# Altium PCB MiniSystem-Pcb-All.PcbDoc (part 2 of 8)
Units mil, origin at the board's own origin, x right, y up, seen from the top; angles counter-clockwise.
Board outline 1732.28 x 669.29 mil, 2 copper layers (Top Layer, Bottom Layer); 690 components, 49 nets, 1630 pads, 330 vias.
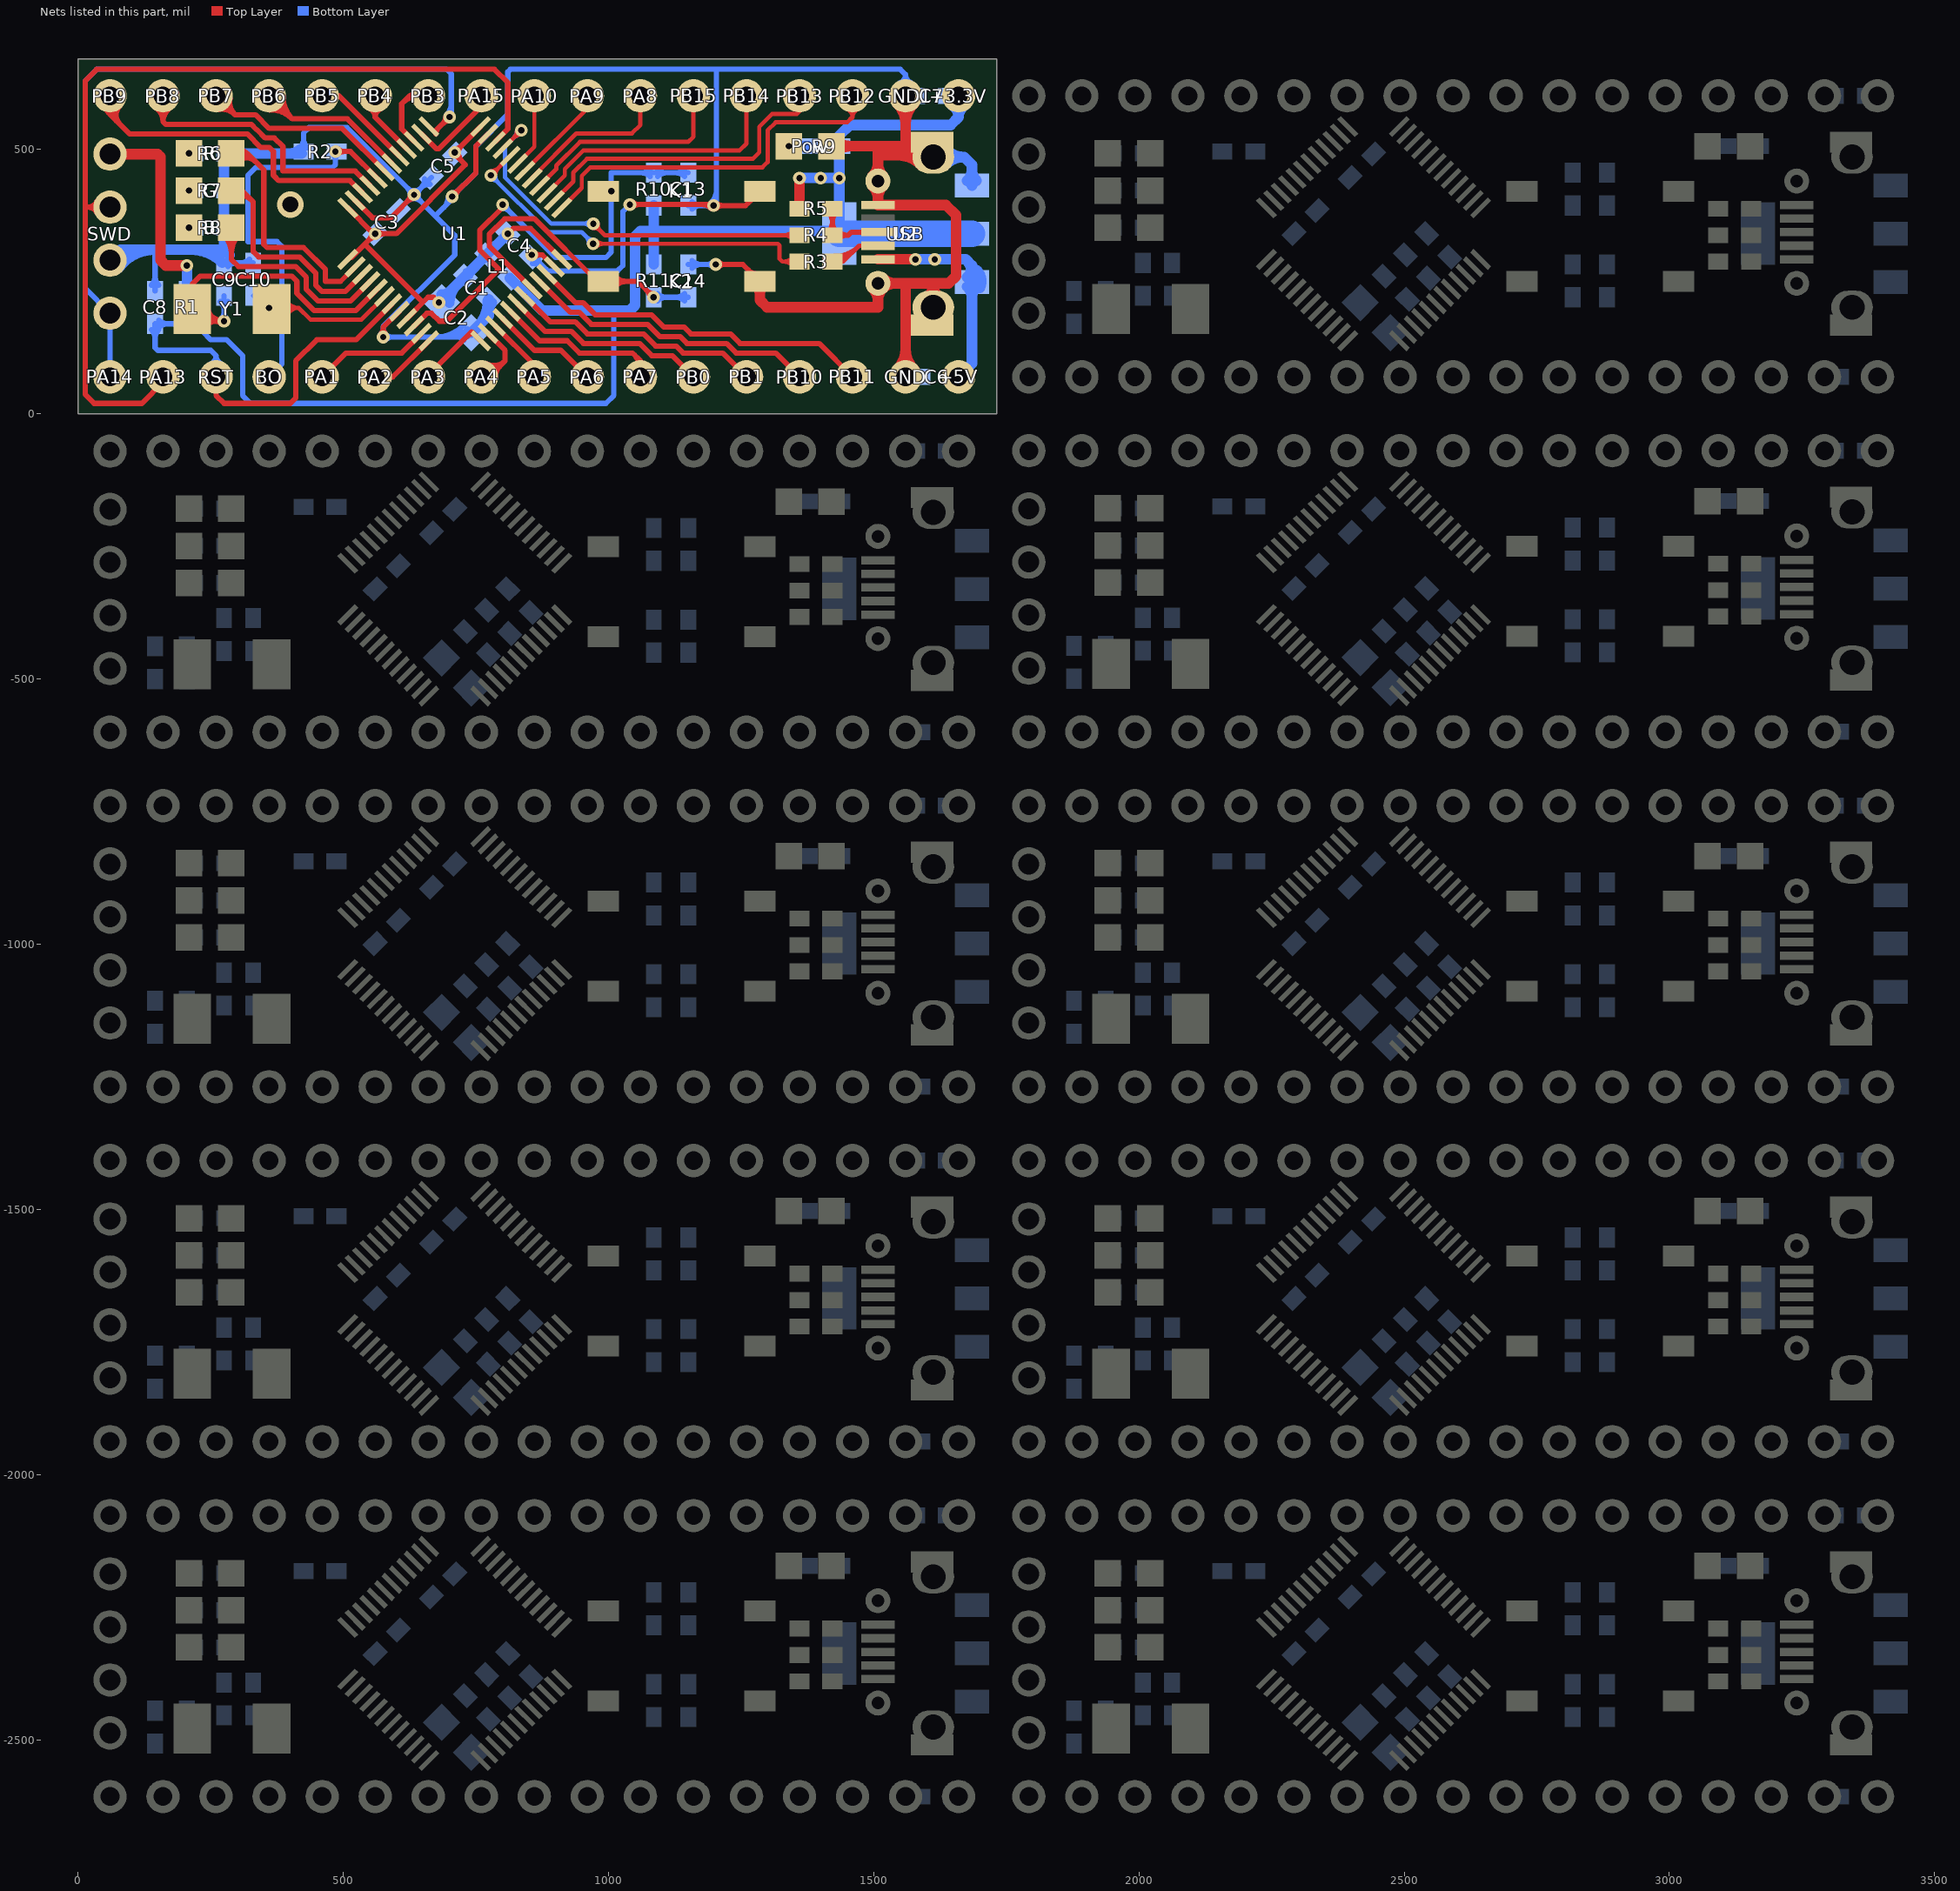
[diagram p2: the nets of this part, all layers, seen from the top]

## Part data
+3.3V +3.3V_1 +3.3V_2 +3.3V_3 +3.3V_4 +3.3V_5 +3.3V_6 +3.3V_7 +3.3V_8 +3.3V_9 +5V +5V_1 +5V_2 +5V_3 +5V_4 +5V_5 +5V_6 +5V_7 +5V_8 +5V_9 BO BO_1 BO_2 BO_3 BO_4 BO_5 BO_6 BO_7 BO_8 BO_9 GND GND1 GND1_1 GND1_2 GND1_3 GND1_4 GND1_5 GND1_6 GND1_7 GND1_8 GND1_9 GND_1 GND_2 GND_3 GND_4 GND_5 GND_6 GND_7 GND_8 GND_9 PA1 PA1_1 PA1_2 PA1_3 PA1_4 PA1_5 PA1_6 PA1_7 PA1_8 PA1_9 PA2 PA2_1 PA2_2 PA2_3 PA2_4 PA2_5 PA2_6 PA2_7 PA2_8 PA2_9 PA3 PA3_1 PA3_2 PA3_3 PA3_4 PA3_5 PA3_6 PA3_7 PA3_8 PA3_9 PA4 PA4_1 PA4_2 PA4_3 PA4_4 PA4_5 PA4_6 PA4_7 PA4_8 PA4_9 PA5 PA5_1 PA5_2 PA5_3 PA5_4 PA5_5 PA5_6 PA5_7 PA5_8 PA5_9 PA6 PA6_1 PA6_2 PA6_3 PA6_4 PA6_5 PA6_6 PA6_7 PA6_8 PA6_9 PA7 PA7_1 PA7_2 PA7_3 PA7_4 PA7_5 PA7_6 PA7_7 PA7_8 PA7_9 PA8 PA8_1 PA8_2 PA8_3 PA8_4 PA8_5 PA8_6 PA8_7 PA8_8 PA8_9 PA9 PA9_1 PA9_2 PA9_3 PA9_4 PA9_5 PA9_6 PA9_7 PA9_8 PA9_9 PA10 PA10_1 PA10_2 PA10_3 PA10_4 PA10_5 PA10_6 PA10_7 PA10_8 PA10_9 PA13 PA13_1 PA13_2 PA13_3 PA13_4 PA13_5 PA13_6 PA13_7 PA13_8 PA13_9 PA14 PA14_1 PA14_2 PA14_3 PA14_4 PA14_5 PA14_6 PA14_7 PA14_8 PA14_9 PA15 PA15_1 PA15_2 PA15_3 PA15_4 PA15_5 PA15_6 PA15_7 PA15_8 PA15_9 PB0 PB0_1 PB0_2 PB0_3 PB0_4 PB0_5 PB0_6 PB0_7 PB0_8 PB0_9 PB1 PB1_1 PB1_2 PB1_3 PB1_4 PB1_5 PB1_6 PB1_7 PB1_8 PB1_9 PB3 PB3_1 PB3_2 PB3_3 PB3_4 PB3_5 PB3_6 PB3_7 PB3_8 PB3_9 PB4 PB4_1 PB4_2 PB4_3 PB4_4 PB4_5 PB4_6 PB4_7 PB4_8 PB4_9 PB5 PB5_1 PB5_2 PB5_3 PB5_4 PB5_5 PB5_6 PB5_7 PB5_8 PB5_9 PB6 PB6_1 PB6_2 PB6_3 PB6_4 PB6_5 PB6_6 PB6_7 PB6_8 PB6_9 PB7 PB7_1 PB7_2 PB7_3 PB7_4 PB7_5 PB7_6 PB7_7 PB7_8 PB7_9 PB8 PB8_1 PB8_2 PB8_3 PB8_4 PB8_5 PB8_6 PB8_7 PB8_8 PB8_9 PB9 PB9_1 PB9_2 PB9_3 PB9_4 PB9_5 PB9_6 PB9_7 PB9_8 PB9_9 PB10 PB10_1 PB10_2 PB10_3 PB10_4 PB10_5 PB10_6 PB10_7 PB10_8 PB10_9 PB11 PB11_1 PB11_2 PB11_3 PB11_4 PB11_5 PB11_6 PB11_7 PB11_8 PB11_9 PB12 PB12_1 PB12_2 PB12_3 PB12_4 PB12_5 PB12_6 PB12_7 PB12_8 PB12_9 PB13 PB13_1 PB13_2 PB13_3 PB13_4 PB13_5 PB13_6 PB13_7 PB13_8 PB13_9 PB14 PB14_1 PB14_2 PB14_3 PB14_4 PB14_5 PB14_6 PB14_7 PB14_8 PB14_9 PB15 PB15_1 PB15_2 PB15_3 PB15_4 PB15_5 PB15_6 PB15_7 PB15_8 PB15_9 RST RST_1 RST_2 RST_3 RST_4 RST_5 RST_6 RST_7 RST_8 RST_9: library part TP, "测试点/触摸点"
B B_1 B_2 B_3 B_4 B_5 B_6 B_7 B_8 B_9 G G_1 G_2 G_3 G_4 G_5 G_6 G_7 G_8 G_9 Pow Pow_1 Pow_2 Pow_3 Pow_4 Pow_5 Pow_6 Pow_7 Pow_8 Pow_9 R R_1 R_2 R_3 R_4 R_5 R_6 R_7 R_8 R_9: "LED灯"
C1 C1_1 C1_2 C1_3 C1_4 C1_5 C1_6 C1_7 C1_8 C1_9 C2 C2_1 C2_2 C2_3 C2_4 C2_5 C2_6 C2_7 C2_8 C2_9 C3 C3_1 C3_2 C3_3 C3_4 C3_5 C3_6 C3_7 C3_8 C3_9 C4 C4_1 C4_2 C4_3 C4_4 C4_5 C4_6 C4_7 C4_8 C4_9 C5 C5_1 C5_2 C5_3 C5_4 C5_5 C5_6 C5_7 C5_8 C5_9 C6 C6_1 C6_2 C6_3 C6_4 C6_5 C6_6 C6_7 C6_8 C6_9 C7 C7_1 C7_2 C7_3 C7_4 C7_5 C7_6 C7_7 C7_8 C7_9 C8 C8_1 C8_2 C8_3 C8_4 C8_5 C8_6 C8_7 C8_8 C8_9 C9 C9_1 C9_2 C9_3 C9_4 C9_5 C9_6 C9_7 C9_8 C9_9 C10 C10_1 C10_2 C10_3 C10_4 C10_5 C10_6 C10_7 C10_8 C10_9 C13 C13_1 C13_2 C13_3 C13_4 C13_5 C13_6 C13_7 C13_8 C13_9 C14 C14_1 C14_2 C14_3 C14_4 C14_5 C14_6 C14_7 C14_8 C14_9: library part CAP, "无极性电容"
K1 K1_1 K1_2 K1_3 K1_4 K1_5 K1_6 K1_7 K1_8 K1_9 K2 K2_1 K2_2 K2_3 K2_4 K2_5 K2_6 K2_7 K2_8 K2_9: "按键"
L1 L1_1 L1_2 L1_3 L1_4 L1_5 L1_6 L1_7 L1_8 L1_9: library part INDUCTOR, "磁珠"
R1 R1_1 R1_2 R1_3 R1_4 R1_5 R1_6 R1_7 R1_8 R1_9 R2 R2_1 R2_2 R2_3 R2_4 R2_5 R2_6 R2_7 R2_8 R2_9 R3 R3_1 R3_2 R3_3 R3_4 R3_5 R3_6 R3_7 R3_8 R3_9 R4 R4_1 R4_2 R4_3 R4_4 R4_5 R4_6 R4_7 R4_8 R4_9 R5 R5_1 R5_2 R5_3 R5_4 R5_5 R5_6 R5_7 R5_8 R5_9 R6 R6_1 R6_2 R6_3 R6_4 R6_5 R6_6 R6_7 R6_8 R6_9 R7 R7_1 R7_2 R7_3 R7_4 R7_5 R7_6 R7_7 R7_8 R7_9 R8 R8_1 R8_2 R8_3 R8_4 R8_5 R8_6 R8_7 R8_8 R8_9 R9 R9_1 R9_2 R9_3 R9_4 R9_5 R9_6 R9_7 R9_8 R9_9 R10 R10_1 R10_2 R10_3 R10_4 R10_5 R10_6 R10_7 R10_8 R10_9 R11 R11_1 R11_2 R11_3 R11_4 R11_5 R11_6 R11_7 R11_8 R11_9: library part RES2, "贴片电阻"
SWD SWD_1 SWD_2 SWD_3 SWD_4 SWD_5 SWD_6 SWD_7 SWD_8 SWD_9: "SWD下载口(STM32)"
U1 U1_1 U1_2 U1_3 U1_4 U1_5 U1_6 U1_7 U1_8 U1_9: "STM32F1单片机48引脚"
U2 U2_1 U2_2 U2_3 U2_4 U2_5 U2_6 U2_7 U2_8 U2_9: "稳压芯片(LDO)"
USB USB_1 USB_2 USB_3 USB_4 USB_5 USB_6 USB_7 USB_8 USB_9: "通用串行总线(USB)"
Y1 Y1_1 Y1_2 Y1_3 Y1_4 Y1_5 Y1_6 Y1_7 Y1_8 Y1_9: library part XTAL, "晶振"

## Via types
v1: diameter 24, hole 12, Top Layer to Bottom Layer, 320 vias
v2: diameter 50, hole 30, Top Layer to Bottom Layer, 10 vias

## Nets (pads, with @x,y where several pads share a name; then routed paths per layer and width w, separated by ;. In a path a pad name is that pad's centre, name@x,y a point inside that pad or via, vN(x,y) a via of type N, cw(c..) or ccw(c..) an arc to the next point about the centre after c; other vN are vias at no path point)
+3.3V: +3.3V.1 C7.1 L1.2 R1.2 R5.1 R9.2 R10.2 R11.2 SWD.1 U2.2 U2.4 | length 3491.4
  Top Layer w20: SWD.1@60,490 150,490 155,485 155,290 165,280 v1(205,280) ; R5.1@1360,387 v1(1360,445)
  Bottom Layer w10: R1.2@205,232 233,232 235,230 235,155 250,140 280,140 310,110 310,35 325,20 995,20 1010,35 1010,195 ; R1.2@212.07,224.93 cw(c229.14,207.86) 229.14,232 cw(c229.14,256.14) R1.2@212.07,239.07
  Bottom Layer w20: R1.2@205,232 v1(205,280) ; L1.2@813.84,256.16 875,195 1010,195 1040,195 1050,205 1050,334.72 1060.28,345 1085.28,345 ; 1075,345 1085.28,345 ; R11.2@1085.28,282 1085.28,345 ; R10.2@1085.28,393 1085.28,345 ; 1435,488.1 cw(c1453.9,488.1) R9.2@1440.54,501.46 ; 1435,521.9 ccw(c1453.9,521.9) R9.2@1440.54,508.54 ; +3.3V.1@1648.14,582.07 cw(c1633.53,560) 1660,560 ; +3.3V.1@1660,600 1660,560 ; +3.3V.1@1671.86,582.07 ccw(c1686.47,560) 1660,560 ; 1085.28,345 1430,345 U2.4@1435,340 v1(1435,445) ; v1(1435,445) v1(1360,445) 1390,445 v1(1435,445) ; v1(1435,445) 1435,525 1455,545 1555,545 1645,545 1660,560
  Bottom Layer w50: U2.4@1435,340 U2.2@1685,340
  other v1: 1400,445
+5V: +5V.1 C6.1 U2.3 USB.1 | length 640
  Top Layer w20: USB.1@1507.84,291.68 v1(1578.32,291.68)
  Bottom Layer w20: v1(1615,291.68) v1(1578.32,291.68) 1673.32,291.68 1685,280 U2.3@1685,249 1685,95 +5V.1@1660,70 ; +5V.1@1654,75 ccw(c1654,101.56) +5V.1@1672.78,82.78 ; 1673.39,291.61 cw(c1644.41,262.63) U2.3@1681.85,245.95 ; U2.3@1676.16,240.16 cw(c1654.82,218.82) 1685,218.82 cw(c1715.18,218.82) U2.3@1693.84,240.16 ; U2.3@1676.16,257.84 ccw(c1654.82,279.18) 1685,279.18 ccw(c1715.18,279.18) U2.3@1693.84,257.84 ; U2.3@1693.97,271.03 cw(c1672.88,249.95) U2.3@1700.12,237.81
BOOT0: BO.1 R2.2 U1.44 | length 799.9
  Top Layer w10: v1(485,495) 513.24,495 U1.44@563.85,444.4 ; v1@489.95,490.05 cw(c501.9,478.1) 501.9,495 cw(c501.9,511.9) v1@489.95,499.95
  Bottom Layer w10: BO.1@360,70 384,94 384,316 375,325 320,325 320,450 335,465 480,465 485,470 v1(485,495) ; R2.2@480.05,490.05 cw(c468.1,478.1) 485,478.1 cw(c501.9,478.1) R2.2@489.95,490.05
CLK: PA14.1 SWD.4 U1.37 | length 1466.6
  Top Layer w10: U1.37@674.37,528.47 cw(c688.61,528.47) 678.54,538.54 ; U1.37@674.42,528.31 cw(c678.69,531.31) 675,535 v1(700,560) ; v1@693,560 cw(c676.1,560) 688.05,548.05 cw(c700,536.1) v1@700,553
  Bottom Layer w10: PA14.1@60,70 SWD.4@60,190 13,237 13,628 35,650 695,650 703.5,641.5 703.5,563.5 v1(700,560) ; v1@695.05,564.95 ccw(c674.66,585.34) 703.5,585.34
DIO: PA13.1 SWD.2 U1.34 | length 1795.9
  Top Layer w10: SWD.2@36.09,378.59 ccw(c18,369.96) 18,390 ; SWD.2@36.09,401.41 cw(c18,410.04) 18,390 ; SWD.2@60,390 18,390 ; PA13.1@160,70 160,60 120,20 30,20 13,37 13,355 13,628 35,650 785,650 810,625 810,537.44 U1.34@786.56,513.99
GND: C1.2 C2.2 C3.2 C4.2 C5.2 C6.2 C7.2 C8.2 C9.1 C10.1 C13.1 C14.1 GND1.1 GND.1 K1.1 K2.1 Pow.2 R2.1 R6.1 R7.1 R8.1 SWD.3 U1.8 U1.23 U1.35 U1.47 U2.1 USB.5 USB.6 USB.7 USB.8 USB.9 | length 8028.8
  Top Layer w10: U1.47@522.09,402.64 554.73,370 590,370 v1(633.35,413.36) ; v1@570.05,149.95 ccw(c558.1,161.9) 575,161.9 ccw(c591.9,161.9) v1@579.95,149.95 ; v1(575,145) 575,163.24 U1.8@605.6,193.85 ; v1@626.35,413.36 cw(c609.46,413.36) 621.41,401.41 cw(c633.35,389.46) v1@633.35,406.36 ; v1(705,410) 750,455 750,505.27 U1.35@772.64,527.91 ; v1@705,417 ccw(c705,433.9) 716.95,421.95 ccw(c728.9,410) v1@712,410 ; v1(855,300) 875.27,300 U1.23@897.91,277.36 ; v1@859.95,295.05 cw(c871.9,283.1) 871.9,300 cw(c871.9,316.9) v1@859.95,304.95 ; v1(1040,395) v1@1196,395 ; v1@1044.95,390.05 cw(c1056.9,378.1) 1056.9,395 cw(c1056.9,411.9) v1@1044.95,399.95 ; 1176.27,395 cw(c1176.27,371.27) v1@1193.05,388.05 ; 1185.93,395 ccw(c1185.93,405.07) v1@1193.05,397.95 ; v1(1198,393) 1258.28,393 K1.1@1285.28,420 ; v1(1202,282) 1253.28,282 K2.1@1285.28,250 ; v1@1202.95,388.05 cw(c1214.9,376.1) 1214.9,393 cw(c1214.9,409.9) v1@1202.95,397.95 ; v1@1206.95,277.05 cw(c1218.9,265.1) 1218.9,282 cw(c1218.9,298.9) v1@1206.95,286.95 ; 1263.14,272.14 cw(c1244.34,253.34) K2.1@1270.78,250.5 ; 1263.2,397.92 ccw(c1256.31,404.81) K1.1@1263.94,410.86 ; K2.1@1267.17,268.11 ccw(c1275.43,276.38) K2.1@1275.43,264.68 ; K1.1@1267.17,401.89 cw(c1275.43,393.62) K1.1@1275.43,405.32
  Top Layer w20: K2.1@1278.43,243.15 cw(c1261.89,226.62) 1285.28,226.62 cw(c1308.66,226.62) K2.1@1292.12,243.15 ; K2.1@1285.28,250 1285.28,214.72 1298.87,201.13 1507.84,201.13 ; Pow.2@1420,505 1515,505 ; Pow.2@1430.61,494.39 cw(c1456.21,468.79) 1456.21,505 cw(c1456.21,541.21) Pow.2@1430.61,515.61 ; USB.8@1498.2,236.77 cw(c1474.95,213.52) 1507.84,213.52 cw(c1540.72,213.52) 1517.47,236.77 cw(c1540.72,213.52) 1540.72,246.4 cw(c1540.72,279.29) USB.8@1517.47,256.04 ; USB.9@1498.2,429.69 cw(c1474.95,406.43) 1507.84,406.43 cw(c1540.72,406.43) USB.9@1517.47,429.69 ; USB.9@1498.2,448.95 ccw(c1474.95,472.21) 1507.84,472.21 ccw(c1540.72,472.21) USB.9@1517.47,448.95 ; 1507.84,203.3 USB.8@1507.84,246.41 ; USB.8@1510.67,243.57 USB.8@1507.84,246.41 ; 1544.57,487.84 cw(c1544.57,424.87) USB.7@1589.09,469.39 ; GND.1@1544.8,85.2 ccw(c1508.1,121.9) 1560,121.9 ccw(c1611.9,121.9) GND.1@1575.2,85.2 ; GND1.1@1544.8,584.8 cw(c1508.1,548.1) 1560,548.1 cw(c1611.9,548.1) GND1.1@1575.2,584.8 ; 1555.36,487.84 ccw(c1555.36,546.56) USB.7@1597.36,505.51 ; GND.1@1560,70 1560,246.41 ; GND1.1@1560,600 1560,505 1515,505 ; 1560.22,487.84 ccw(c1560.22,528.67) USB.7@1589.09,499.79 ; USB.7@1583.05,519.49 cw(c1507.84,593.02) 1507.84,487.84 ; USB.6@1599.45,218.46 ccw(c1581.02,243.57) 1612.16,243.57 ; USB.7@1608.92,487.84 1507.84,487.84 ; USB.6@1612.16,201.13 1612.16,243.57 ; USB.6@1624.88,218.46 cw(c1643.31,243.57) 1612.16,243.57 ; USB.8@1507.84,246.41 1560,246.41 ; 1507.84,487.84 USB.9@1507.84,439.32 USB.5@1507.84,394.04 1635.96,394.04 1655,375 1655,260 1641.4,246.41 1560,246.41 ; 1507.84,487.84 1507.84,497.84 1515,505
  Bottom Layer w10: C8.2@137.93,243.07 ccw(c120.86,260.14) 145,260.14 ccw(c169.14,260.14) C8.2@152.07,243.07 ; C8.2@145,232 145,310 ; C9.1@275,285 C10.1@330,285 ; C9.1@282.07,277.93 cw(c299.14,260.86) 299.14,285 cw(c299.14,309.14) C9.1@282.07,292.07 ; C10.1@322.93,277.93 ccw(c305.86,260.86) 305.86,285 ccw(c305.86,309.14) C10.1@322.93,292.07 ; R2.1@417.93,502.07 ccw(c400.86,519.14) 425,519.14 ccw(c449.14,519.14) R2.1@432.07,502.07 ; R2.1@421.3,491.3 R2.1@425,495 425,530 435,540 506.71,540 v1(633.35,413.36) ; v1@570.05,149.95 ccw(c558.1,161.9) 575,161.9 ccw(c591.9,161.9) 579.95,149.95 ccw(c591.9,161.9) 591.9,145 ccw(c591.9,128.1) v1@579.95,140.05 ; C3.2@603.84,383.84 v1(633.35,413.36) ; C5.2@653.33,443.33 cw(c629.19,443.33) 646.26,426.26 cw(c663.33,409.19) C5.2@663.33,433.33 ; C5.2@666.16,446.16 v1(633.35,413.36) ; 672.93,145 ccw(c672.93,222.07) C2.2@727.43,167.57 ; 689.51,389.51 ccw(c669.03,410) v1@698,410 ; 697.07,145 ccw(c697.07,197.93) C2.2@734.5,160.5 ; v1@705,405 673.35,373.36 ; v1(705,410) 750,455 750,505 810,565 810,645 815,650 1205,650 ; v1@705,417 ccw(c705,433.9) 716.95,421.95 ccw(c728.9,410) v1@712,410 ; 713.64,145 cw(c713.64,125.5) C2.2@727.43,139.29 ; C2.2@741.57,153.43 733.14,145 v1(575,145) 575,165 710,300 710,336.71 673.35,373.36 ; C4.2@855,293 cw(c855,276.1) 866.95,288.05 cw(c878.9,300) C4.2@862,300 ; C4.2@856.34,298.66 885,270 1017,270 1027,280 1027,382 v1(1040,395) ; C4.2@856.67,283.33 cw(c856.67,247.12) 882.28,272.72 ; C4.2@866.67,293.33 ccw(c878.74,293.33) 870.2,284.8 ; C14.1@1150.28,282 v1(1202,282) ; C13.1@1150.28,393 v1(1198,393) ; C14.1@1157.35,274.93 cw(c1174.42,257.86) 1174.42,282 cw(c1174.42,306.14) C14.1@1157.35,289.07 ; C13.1@1157.35,385.93 cw(c1174.42,368.86) 1174.42,393 cw(c1174.42,417.14) C13.1@1157.35,400.07 ; v1@1193.05,388.05 ccw(c1181.1,376.1) 1181.1,393 ccw(c1181.1,409.9) 1193.05,397.95 ccw(c1167.83,423.17) 1203.5,423.17 ; v1@1197.05,277.05 ccw(c1185.1,265.1) 1185.1,282 ccw(c1185.1,298.9) v1@1197.05,286.95 ; v1@1203.5,398.5 1203.5,648.5 1205,650 ; GND1.1@1549.67,624.4 ccw(c1543.06,640) 1560,640 ; GND1.1@1560,600 1560,640 ; GND1.1@1560,606.67 ccw(c1577.56,606.67) GND1.1@1569.29,591.18 ; GND1.1@1560,623.33 ccw(c1586.44,623.33) GND1.1@1574,600 ; GND1.1@1570.33,624.4 cw(c1576.94,640) 1560,640 ; GND1.1@1578.71,608.82 cw(c1595.33,640) 1560,640 ; v1(633.35,413.36) 673.35,373.36 ; 1205,650 1550,650 1560,640 ; 621.41,401.41 ccw(c609.46,413.36) 626.35,413.36 ccw(c609.46,413.36) 621.41,425.3 ccw(c633.35,437.25) 633.35,420.36 ccw(c633.35,437.25) 645.3,425.3 ccw(c657.25,413.36) 640.35,413.36 ccw(c657.25,413.36) 645.3,401.41 ccw(c633.35,389.46) 633.35,406.36 ccw(c633.35,389.46) 621.41,401.41
  Bottom Layer w20: SWD.3@60,290 80,310 145,310 ; SWD.3@61.18,289.08 cw(c104.03,255.65) 104.03,310 ; SWD.3@76.95,276.78 cw(c145,223.7) 145,310 ; 212.23,310 cw(c212.23,226.23) C9.1@271.46,285.46 ; 260.51,310 cw(c260.51,274.51) C9.1@285.61,299.61 ; 399.99,491.3 ccw(c399.99,516.01) R2.1@417.46,498.54 ; R2.1@421.3,491.3 R6.1@278.78,491.3 275,487.52 275,310 145,310 ; C2.2@741.57,153.43 773.84,185.7 C1.2@773.84,216.16 ; C2.2@753.97,165.83 ccw(c710.88,208.92) C1.2@771.68,213 ; 773.84,194.43 cw(c795.57,194.43) C1.2@780.2,209.8 ; USB.7@1612.16,484.59 1670.41,484.59 ; USB.7@1635.56,469.72 cw(c1670.4,436.34) 1670.4,484.59 ; USB.7@1635.56,499.46 ccw(c1670.4,532.85) 1670.4,484.59 ; U2.1@1676.16,439.84 ccw(c1654.82,461.18) 1685,461.18 ccw(c1715.18,461.18) U2.1@1693.84,439.84 ; U2.1@1685,431 1685,470 1670.41,484.59
  other v2: 400,395
K1: C13.2 K1.2 R10.1 U1.10 | length 1103.1
  Top Layer w10: U1.10@633.44,166.01 657.44,190 666.06,190 681.06,175 695,175 792.54,272.54 ; 792.54,273.76 757,309.3 757,346.4 v1@800,389.4
  Bottom Layer w10: v1@800,388 cw(c800,371.1) 811.95,383.05 cw(c823.9,395) v1@807,395 ; v1(800,395) 900,295 995,295 1005,305 v1(1005,420) 1005,455 R10.1@1085.28,455 C13.2@1150.28,455 ; v1@1000.05,415.05 cw(c988.1,403.1) 1005,403.1 cw(c1021.9,403.1) v1@1009.95,415.05 ; v1@1000.05,424.95 ccw(c988.1,436.9) 1005,436.9 ccw(c1021.9,436.9) v1@1009.95,424.95 ; R10.1@1078.2,447.93 ccw(c1061.13,430.86) 1061.13,455 ccw(c1061.13,479.14) R10.1@1078.2,462.07 ; R10.1@1092.35,447.93 cw(c1109.42,430.86) 1109.42,455 cw(c1109.42,479.14) R10.1@1092.35,462.07 ; C13.2@1143.2,447.93 ccw(c1126.13,430.86) 1126.13,455 ccw(c1126.13,479.14) C13.2@1143.2,462.07
K2: C14.2 K2.2 R11.1 U1.20 | length 769.9
  Top Layer w10: U1.20@856.15,235.6 775,316.76 775,338.94 804.06,368 860.57,368 978.57,250 K2.2@990,250 1055,250 v1(1085,220) ; K2.2@1010.23,239.62 cw(c1035.3,214.55) 1035.3,250 cw(c1035.3,285.45) K2.2@1010.23,260.38 ; v1@1078,220 ccw(c1061.1,220) 1073.05,231.95 ccw(c1085,243.9) v1@1085,227
  Bottom Layer w10: R11.1@1085.28,220 C14.2@1150.28,220 ; R11.1@1089.95,215.05 cw(c1101.9,203.1) 1101.9,220 cw(c1101.9,236.9) R11.1@1089.95,224.95 ; R11.1@1092.35,212.93 cw(c1109.42,195.86) 1109.42,220 cw(c1109.42,244.14) R11.1@1092.35,227.07 ; C14.2@1143.2,212.93 ccw(c1126.13,195.86) 1126.13,220 ccw(c1126.13,244.14) C14.2@1143.2,227.07
LED-B: R.1 U1.2 | length 591.1
  Top Layer w10: R.1@295.65,484.04 cw(c310.8,468.02) 326.39,483.61 ; R.1@302.52,476.77 cw(c317.87,460.55) 333.66,476.34 ; R.1@307.26,483.65 cw(c318.7,478.92) 318.7,491.3 ; R.1@307.26,498.95 ccw(c318.7,503.68) 318.7,491.3 ; 319.12,490.88 ccw(c303.73,475.49) R.1@288.78,491.3 318.7,491.3 ; 380,314 400,314 ; U1.2@522.09,277.36 494.73,250 466.24,250 466.24,272.58 424.82,314 400,314 ; 318.7,491.3 350,460 350,320 356,314 400,314